# KiCad board sample013-sdi-mipi-video-converter.kicad_pcb (continued)
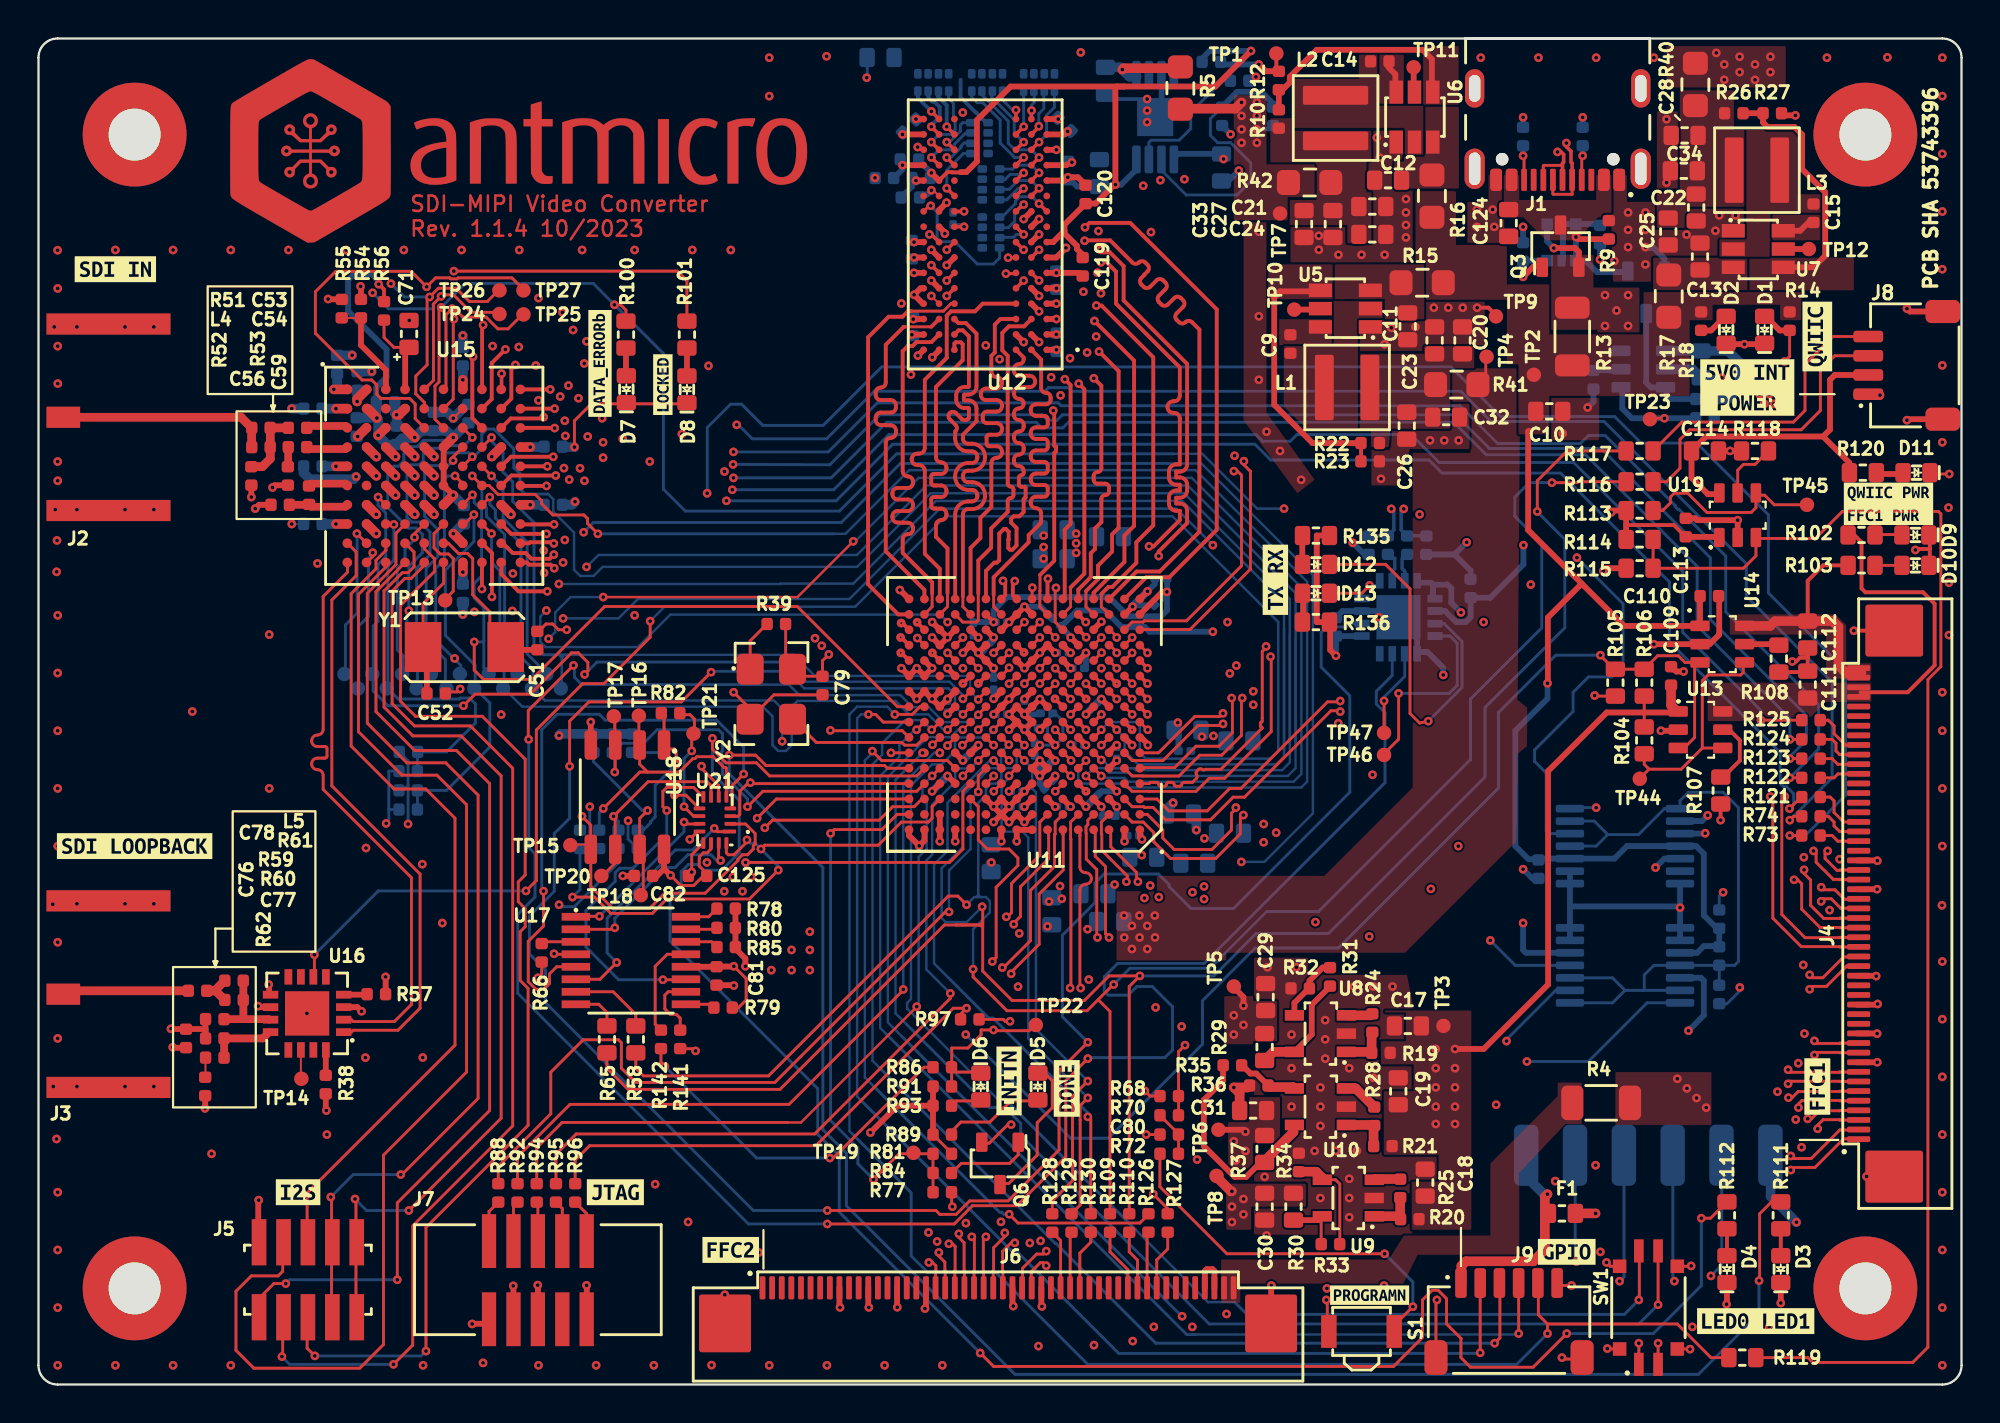
[diagram p0: board, top side]
## Footprints (pads in the part's own frame, mm; a bottom-side part is the same pattern mirrored in y, then rotated) (continued)
BGA-256_14x14mm_Layout16x16_P0.8mm
  round 0.45 smd: A1(-6,6) A2(-5.2,6) A3(-4.4,6) A4(-3.6,6) A5(-2.8,6) A6(-2,6) A7(-1.2,6) A8(-0.4,6) A9(0.4,6) A10(1.2,6) A11(2,6) A12(2.8,6) A13(3.6,6) A14(4.4,6) A15(5.2,6) A16(6,6) B1(-6,5.2) B2(-5.2,5.2) B3(-4.4,5.2) B4(-3.6,5.2) B5(-2.8,5.2) B6(-2,5.2) B7(-1.2,5.2) B8(-0.4,5.2) B9(0.4,5.2) B10(1.2,5.2) B11(2,5.2) B12(2.8,5.2) B13(3.6,5.2) B14(4.4,5.2) B15(5.2,5.2) B16(6,5.2) C1(-6,4.4) C2(-5.2,4.4) C3(-4.4,4.4) C4(-3.6,4.4) C5(-2.8,4.4) C6(-2,4.4) C7(-1.2,4.4) C8(-0.4,4.4) C9(0.4,4.4) C10(1.2,4.4) C11(2,4.4) C12(2.8,4.4) C13(3.6,4.4) C14(4.4,4.4) C15(5.2,4.4) C16(6,4.4) D1(-6,3.6) D2(-5.2,3.6) D3(-4.4,3.6) D4(-3.6,3.6) D5(-2.8,3.6) D6(-2,3.6) D7(-1.2,3.6) D8(-0.4,3.6) D9(0.4,3.6) D10(1.2,3.6) D11(2,3.6) D12(2.8,3.6) D13(3.6,3.6) D14(4.4,3.6) D15(5.2,3.6) D16(6,3.6) E1(-6,2.8) E2(-5.2,2.8) E3(-4.4,2.8) E4(-3.6,2.8) E5(-2.8,2.8) E6(-2,2.8) E7(-1.2,2.8) E8(-0.4,2.8) E9(0.4,2.8) E10(1.2,2.8) E11(2,2.8) E12(2.8,2.8) E13(3.6,2.8) E14(4.4,2.8) E15(5.2,2.8) E16(6,2.8) F1(-6,2) F2(-5.2,2) F3(-4.4,2) F4(-3.6,2) F5(-2.8,2) F6(-2,2) F7(-1.2,2) F8(-0.4,2) F9(0.4,2) F10(1.2,2) F11(2,2) F12(2.8,2) F13(3.6,2) F14(4.4,2) F15(5.2,2) F16(6,2) G1(-6,1.2) G2(-5.2,1.2) G3(-4.4,1.2) G4(-3.6,1.2) G5(-2.8,1.2) G6(-2,1.2) G7(-1.2,1.2) G8(-0.4,1.2) G9(0.4,1.2) G10(1.2,1.2) G11(2,1.2) G12(2.8,1.2) G13(3.6,1.2) G14(4.4,1.2) G15(5.2,1.2) G16(6,1.2) H1(-6,0.4) H2(-5.2,0.4) H3(-4.4,0.4) H4(-3.6,0.4) H5(-2.8,0.4) H6(-2,0.4) H7(-1.2,0.4) H8(-0.4,0.4) H9(0.4,0.4) H10(1.2,0.4) H11(2,0.4) H12(2.8,0.4) H13(3.6,0.4) H14(4.4,0.4) H15(5.2,0.4) H16(6,0.4) J1(-6,-0.4) J2(-5.2,-0.4) J3(-4.4,-0.4) J4(-3.6,-0.4) J5(-2.8,-0.4) J6(-2,-0.4) J7(-1.2,-0.4) J8(-0.4,-0.4) J9(0.4,-0.4) J10(1.2,-0.4) J11(2,-0.4) J12(2.8,-0.4) J13(3.6,-0.4) J14(4.4,-0.4) J15(5.2,-0.4) J16(6,-0.4) K1(-6,-1.2) K2(-5.2,-1.2) K3(-4.4,-1.2) K4(-3.6,-1.2) K5(-2.8,-1.2) K6(-2,-1.2) K7(-1.2,-1.2) K8(-0.4,-1.2) K9(0.4,-1.2) K10(1.2,-1.2) K11(2,-1.2) K12(2.8,-1.2) K13(3.6,-1.2) K14(4.4,-1.2) K15(5.2,-1.2) K16(6,-1.2) L1(-6,-2) L2(-5.2,-2) L3(-4.4,-2) L4(-3.6,-2) L5(-2.8,-2) L6(-2,-2) L7(-1.2,-2) L8(-0.4,-2) L9(0.4,-2) L10(1.2,-2) L11(2,-2) L12(2.8,-2) L13(3.6,-2) L14(4.4,-2) L15(5.2,-2) L16(6,-2) M1(-6,-2.8) M2(-5.2,-2.8) M3(-4.4,-2.8) M4(-3.6,-2.8) M5(-2.8,-2.8) M6(-2,-2.8) M7(-1.2,-2.8) M8(-0.4,-2.8) M9(0.4,-2.8) M10(1.2,-2.8) M11(2,-2.8) M12(2.8,-2.8) M13(3.6,-2.8) M14(4.4,-2.8) M15(5.2,-2.8) M16(6,-2.8) N1(-6,-3.6) N2(-5.2,-3.6) N3(-4.4,-3.6) N4(-3.6,-3.6) N5(-2.8,-3.6) N6(-2,-3.6) N7(-1.2,-3.6) N8(-0.4,-3.6) N9(0.4,-3.6) N10(1.2,-3.6) N11(2,-3.6) N12(2.8,-3.6) N13(3.6,-3.6) N14(4.4,-3.6) N15(5.2,-3.6) N16(6,-3.6) P1(-6,-4.4) P2(-5.2,-4.4) P3(-4.4,-4.4) P4(-3.6,-4.4) P5(-2.8,-4.4) P6(-2,-4.4) P7(-1.2,-4.4) P8(-0.4,-4.4) P9(0.4,-4.4) P10(1.2,-4.4) P11(2,-4.4) P12(2.8,-4.4) P13(3.6,-4.4) P14(4.4,-4.4) P15(5.2,-4.4) P16(6,-4.4) R1(-6,-5.2) R2(-5.2,-5.2) R3(-4.4,-5.2) R4(-3.6,-5.2) R5(-2.8,-5.2) R6(-2,-5.2) R7(-1.2,-5.2) R8(-0.4,-5.2) R9(0.4,-5.2) R10(1.2,-5.2) R11(2,-5.2) R12(2.8,-5.2) R13(3.6,-5.2) R14(4.4,-5.2) R15(5.2,-5.2) R16(6,-5.2) T1(-6,-6) T2(-5.2,-6) T3(-4.4,-6) T4(-3.6,-6) T5(-2.8,-6) T6(-2,-6) T7(-1.2,-6) T8(-0.4,-6) T9(0.4,-6) T10(1.2,-6) T11(2,-6) T12(2.8,-6) T13(3.6,-6) T14(4.4,-6) T15(5.2,-6) T16(6,-6)
C_0201
  rrect 0.318x0.36 smd: (-0.349,0.002) (0.341,0.002)
  rrect 0.46x0.4 smd: 1(-0.321,0.002) 2(0.32,0.002)
C_0402_1005Metric
  rrect 0.59x0.64 smd: 1(-0.48,0) 2(0.48,0)
C_0603_1608Metric
  rrect 0.8x1 smd: 1(-0.7,0) 2(0.7,0)
C_Pol_0603_1608Metric
  rrect 0.8x1 smd: 1(-0.7,0) 2(0.7,0)
Conn_BNC_031-70526-21
  rect 1.1x1.75 smd: 1(0,7.872)
  rect 1.1x6.45 smd: 2(-4.851,10.221) 2(4.849,10.221)
Conn_FFC_WE_68715014x22
  rrect 0.3x1.2 smd: 1(-12.25,2.15) 2(-11.75,2.15) 3(-11.25,2.15) 4(-10.75,2.15) 5(-10.25,2.15) 6(-9.75,2.15) 7(-9.25,2.15) 8(-8.75,2.15) 9(-8.25,2.15) 10(-7.75,2.15) 11(-7.25,2.15) 12(-6.75,2.15) 13(-6.25,2.15) 14(-5.75,2.15) 15(-5.25,2.15) 16(-4.75,2.15) 17(-4.25,2.15) 18(-3.75,2.15) 19(-3.25,2.15) 20(-2.75,2.15) 21(-2.25,2.15) 22(-1.75,2.15) 23(-1.25,2.15) 24(-0.75,2.15) 25(-0.25,2.15) 26(0.248,2.15) 27(0.748,2.15) 28(1.249,2.15) 29(1.749,2.15) 30(2.249,2.15) 31(2.749,2.15) 32(3.249,2.15) 33(3.749,2.15) 34(4.248,2.15) 35(4.748,2.15) 36(5.248,2.15) 37(5.749,2.15) 38(6.249,2.15) 39(6.749,2.15) 40(7.249,2.15) 41(7.749,2.15) 42(8.249,2.15) 43(8.749,2.15) 44(9.249,2.15) 45(9.749,2.15) 46(10.249,2.15) 47(10.749,2.15) 48(11.249,2.15) 49(11.749,2.15) 50(12.249,2.15)
  rrect 2.7x3 smd: MP1(-14.198,0.3) MP2(14.198,0.3)
Conn_JST_SH_1x4_SM04B-SRSS-TB-LF-SN
  rrect 0.6x1.55 smd: 1(-1.5,2.12) 2(-0.5,2.12) 3(0.5,2.12) 4(1.5,2.12)
  rrect 1.2x1.8 smd: MP(-2.8,-1.755) MP(2.8,-1.755)
Conn_JST_SH_1x6_SM06B-SRSS-TB-LF-SN
  rrect 0.6x1.55 smd: 1(-2.5,2.1) 2(-1.5,2.1) 3(-0.5,2.1) 4(0.5,2.1) 5(1.5,2.1) 6(2.5,2.1)
  rrect 1.2x1.8 smd: MP(-3.8,-1.775) MP(3.8,-1.775)
F_0603_1608Metric
  rrect 0.8x1 smd: 1(-0.7,0) 2(0.7,0)
FB_0603_1608Metric
  rrect 0.8x1 smd: 1(-0.7,0) 2(0.7,0)
L_0402_1005Metric
  rrect 0.59x0.64 smd: 1(-0.48,0) 2(0.48,0)
L_Coilcraft-XEL4030
  rrect 0.98x3.4 smd: 1(-1.185,0) 2(1.185,0)
LED_0603_1608Metric_G
  rrect 0.8x1 smd: 1(-0.7,0) 2(0.7,0)
LED_0603_1608Metric_R
  rrect 0.8x1 smd: 1(-0.7,0) 2(0.7,0)
MP_Pad5.4mm_Drill2.7mm
  round 5.4 hole 2.7: 1(0,0)
MSOP-8-1EP_3x3x1.1mm_P0.65mm
  rrect 1.45x0.45 smd: 1(-2.199,0.977) 2(-2.199,0.326) 3(-2.199,-0.324) 4(-2.199,-0.973) 5(2.201,-0.973) 6(2.201,-0.324) 7(2.201,0.326) 8(2.201,0.977)
  rect 1.98x1.88 smd: 9(0,0)
Oscillator_SMD_YIC_OSC-S5_5x3.2mm
  rrect 1.4x1.6 smd: 1(-1.101,1.3) 2(-1.101,-1.3) 3(1.1,-1.3) 4(1.1,1.3)
PinHeader_1x6_P2.54mm_SMD_Horizontal
  rrect 1.27x3.18 smd: 1(-6.351,-5.914) 2(-3.81,-5.914) 3(-1.27,-5.914) 4(1.267,-5.914) 5(3.809,-5.914) 6(6.349,-5.914)
PinHeader_2x5_P1.27mm_SMD
  rect 0.76x2.4 smd: 1(-2.581,-1.949) 2(-2.581,1.95) 3(-1.311,-1.949) 4(-1.311,1.95) 5(-0.042,-1.949) 6(-0.042,1.95) 7(1.227,-1.949) 8(1.227,1.95) 9(2.499,-1.949) 10(2.499,1.95)
PinHeader_2x5_P1.27mm_SMD_Shrouded
  rect 0.74x2.795 smd: 1(-2.54,-2.055) 2(-2.54,2.009) 3(-1.27,-2.055) 4(-1.27,2.009) 5(0,-2.055) 6(0,2.009) 7(1.269,-2.055) 8(1.269,2.009) 9(2.539,-2.055) 10(2.539,2.009)
QFN-16-1EP_4x4mm_P0.65mm
  rect 0.8x0.4 smd: 1(-1.9,0.975) 2(-1.9,0.325) 3(-1.9,-0.325) 4(-1.9,-0.975) 9(1.9,-0.975) 10(1.9,-0.325) 11(1.9,0.325) 12(1.9,0.975)
  rect 0.4x0.8 smd: 5(-0.975,-1.9) 6(-0.325,-1.9) 7(0.325,-1.9) 8(0.975,-1.9) 13(0.975,1.9) 14(0.325,1.9) 15(-0.325,1.9) 16(-0.975,1.9)
  rect 2.3x2.3 smd: 17(0,0)
R_0201
  rrect 0.318x0.36 smd: (-0.346,0) (0.344,0)
  rrect 0.46x0.4 smd: 1(-0.32,0) 2(0.32,0)
R_0402_1005Metric
  rrect 0.59x0.64 smd: 1(-0.48,0) 2(0.48,0)
R_0603_1608Metric
  rrect 0.8x1 smd: 1(-0.7,0) 2(0.7,0)
R_0805_2012Metric
  rrect 1.2x1.3 smd: 1(-1.1,0) 2(1.1,0)
R_1206_3216Metric
  rrect 1.15x1.8 smd: 1(-1.5,-0.001) 2(1.5,-0.001)
R_Array_4x0402
  rrect 0.4x0.5 smd: 1(-0.802,-0.45) 2(-0.272,-0.45) 3(0.27,-0.45) 4(0.8,-0.45) 5(0.8,0.452) 6(0.27,0.452) 7(-0.272,0.452) 8(-0.802,0.452)
Resonator_SMD_Abracon_ABM7_6x3.5x1.4mm
  rect 1.9x2.6 smd: 1(-2.15,0) 2(2.148,0)
SOIC-8_3.9x4.9x1.75mm_P1.27mm
  rrect 1.525x0.65 smd: 1(-2.714,1.905) 2(-2.714,0.635) 3(-2.714,-0.632) 4(-2.714,-1.902) 5(2.712,-1.902) 6(2.712,-0.632) 7(2.712,0.635) 8(2.712,1.905)
SOT-23-3
  rrect 1x0.6 smd: 1(-1.1,0.951) 2(-1.1,-0.949) 3(1.1,0.001)
SOT-23-5
  rect 1x0.55 smd: 1(-1.351,0.951) 2(-1.351,0) 3(-1.351,-0.949) 4(1.35,-0.949) 5(1.35,0.951)
SOT-23-6
  rrect 0.55x1 smd: 1(-0.954,-1.1) 2(-0.003,-1.1) 3(0.947,-1.1) 4(0.947,1.214) 5(-0.003,1.214) 6(-0.954,1.214)
SOT-363
  custom 0.6x0.6 smd: 1(-0.948,0.752) 3(-0.948,-0.745) 4(0.951,-0.745) 6(0.951,0.752)
  rect 0.6x0.4 smd: 2(-0.948,0.002) 5(0.951,0.002)
SW_B3U-3000PM_SMD
  rect 0.8x1.7 smd: 1(-1.7,0.35) 2(1.7,0.35)
SW_DIP_SPSTx02_Slide_Copal_CVS-02xB_W5.9mm_P1mm
  rect 1.2x0.5 smd: 1(-2.95,0.5) 2(-2.95,-0.5) 3(2.95,-0.5) 4(2.95,0.5)
  rect 0.7x0.7 smd: SH(-2.15,1.5) SH(-2.15,-1.5) SH(2.15,1.5) SH(2.15,-1.5)
TP_SMD_0.75mm
  round 0.75 smd: 1(0,0)
TSOT23-6
  rect 1.2x0.7 smd: 1(-1.301,0.947) 2(-1.301,-0.004) 3(-1.301,-0.954) 4(1.299,-0.954) 5(1.299,-0.004) 6(1.299,0.947)
TSSOP-14_4.4x5mm_P0.65mm
  rrect 1.475x0.4 smd: 1(-2.863,1.95) 2(-2.863,1.301) 3(-2.863,0.652) 4(-2.863,0) 5(-2.863,-0.65) 6(-2.863,-1.3) 7(-2.863,-1.949) 8(2.862,-1.949) 9(2.862,-1.3) 10(2.862,-0.65) 11(2.862,0) 12(2.862,0.652) 13(2.862,1.301) 14(2.862,1.95)
TSSOP-16_4.4x5mm_P0.65mm
  rect 1.475x0.4 smd: 1(-2.815,2.275) 2(-2.815,1.625) 3(-2.815,0.975) 4(-2.815,0.325) 5(-2.815,-0.325) 6(-2.815,-0.975) 7(-2.815,-1.625) 8(-2.815,-2.275) 9(2.91,-2.275) 10(2.91,-1.625) 11(2.91,-0.975) 12(2.91,-0.325) 13(2.91,0.325) 14(2.91,0.975) 15(2.91,1.625) 16(2.91,2.275)
UQFN-16-1.8x2.6mm_P0.4mm_Texas_RSV0016A
  rrect 0.7x0.2 smd: 1(-0.75,0.6)
  rrect 0.6x0.2 smd: 2(-0.802,0.202) 3(-0.802,-0.2) 4(-0.802,-0.598) 9(0.8,-0.598) 10(0.8,-0.2) 11(0.8,0.202) 12(0.8,0.6)
  rrect 0.2x0.6 smd: 5(-0.6,-1.199) 6(-0.202,-1.199) 7(0.2,-1.199) 8(0.598,-1.199) 13(0.598,1.2) 14(0.2,1.2) 15(-0.202,1.2) 16(-0.6,1.2)
USB-C_Receptacle_GCT_USB4105-GF-A
  round 0.65 hole 0.65 unplated: (-2.891,2.426) (2.89,2.426)
  rrect 0.6x1.15 smd: A1(-3.202,3.5) A4(-2.4,3.5) A9(2.398,3.5) A12(3.2,3.5) B1(3.2,3.5) B4(2.398,3.5) B9(-2.4,3.5) B12(-3.202,3.5)
  rrect 0.3x1.15 smd: A5(-1.25,3.5) A6(-0.25,3.5) A7(0.248,3.5) A8(1.249,3.5) B5(1.749,3.5) B6(0.748,3.5) B7(-0.75,3.5) B8(-1.75,3.5)
  oval 1.05x2.1 hole 0.6x1.7: SH(-4.321,2.926) SH(4.32,2.926)
  oval 1x2 hole 0.6x1.4: SH(-4.321,-1.255) SH(4.32,-1.255)

## Nets
1V0_Clean: C29.2 FB3.2 FB5.2 R29.2 TP5.1 U2.9
1V0_Power: C85.2 C86.2 C98.2 C104.2 C107.2 C116.2 R41.2 TP4.1 U2.7 U11.D7 U11.D9 U11.H7 U11.J10 U11.K9
+1V2: C30.2 C61.2 C63.2 C66.2 C68.2 C70.2 C73.2 C83.2 R30.2 R56.1 TP8.1 U3.7 U11.N5 U15.B2 U15.C3 U15.C4 U15.D6 U15.E6 U15.F6 U15.G6
+1V5: C16.2 C35.2 C36.1 C37.2 C38.2 C41.2 C42.2 C43.2 C44.2 C45.2 C46.2 C47.2 C48.2 C49.2 C119.2 R5.1 R7.2 R42.2 TP7.1 U3.5 U11.N6 U11.P11 U11.P12 U11.R2 U12.A1 U12.A8 U12.B2 U12.C1 U12.C9 U12.D2 U12.D9 U12.E9 U12.F1 U12.G7 U12.H2 U12.H9 U12.K2 U12.K8 U12.N1 U12.N9 U12.R1 U12.R9
+1V8: C31.2 FB1.2 FB2.2 FB4.2 R37.2 TP6.1 U2.11
+3V3: C17.1 C18.2 C19.2 C58.2 C60.2 C62.2 C64.2 C65.2 C67.2 C69.2 C72.2 C74.2 C75.2 C76.1 C79.2 C81.2 C82.2 C84.2 C108.2 C109.2 C113.2 C115.2 C125.1 F1.1 J7.1 R1.2 R19.1 R20.1 R21.1 R38.2 R39.2 R40.2 R55.1 R57.2 R59.1 R60.2 R66.2 R68.2 R79.2 R81.2 R83.1 R87.2 R89.2 R90.2 R91.2 R93.2 R104.1 R105.1 R113.1 R114.1 R137.2 R139.2 TP3.1 U1.5 U2.5 U11.D13 U11.F5 U11.F13 U11.J4 U11.J13 U13.1 U15.A7 U15.B1 U15.D10 U15.E1 U15.G10 U15.H1 U15.K7 U16.9 U17.12 U18.8 U19.1 U21.14 Y2.4
+5V: C1.2 C2.2 C10.1 C110.2 R2.2 R13.2 R14.2 R15.1 R16.2 R17.1 R18.2 TP2.1 U2.3 U3.3 U3.11 U14.1
/FPGA Power/VCC_ADPHY: C90.2 C96.2 C102.2 FB4.1 U11.C8 U11.E3
/FPGA Power/VCC_AUX: C87.2 C92.2 C93.2 C99.2 C105.2 C106.2 C118.2 FB1.1 U11.F8 U11.G7 U11.K8 U11.K10 U11.M6
/FPGA Power/VCC_AUXA: C88.2 C94.2 C100.2 FB2.1 U11.F7
/FPGA Power/VCC_DPHY: C89.2 C95.2 C101.2 FB3.1 U11.C4 U11.C7
/FPGA Power/VCC_PLLDPHY: C91.2 C97.2 C103.2 FB5.1 U11.A2 U11.C5
/Peripherals/3V3_MISC: F1.2 J9.1 J10.1
/Power Supply/1V0_OUT: C20.2 C23.2 C26.2 C32.2 L1.2 R22.2 R41.1
/Power Supply/1V0_SW: C9.1 L1.1 U5.2
/Power Supply/1V5_OUT: C21.2 C24.1 C27.2 C33.2 L2.2 R10.2 R42.1
/Power Supply/1V5_SW: C14.1 L2.1 U6.2
/Power Supply/3V3_OUT: C22.2 C25.2 C28.2 C34.2 L3.2 R26.2 R40.1
/Power Supply/3V3_SW: C15.1 L3.1 U7.2
/Power Supply/5V_1V0_IN: C11.2 R15.2 U5.3
/Power Supply/5V_1V5_IN: C12.1 R16.1 U6.3
/Power Supply/5V_3V3_IN: C13.1 R17.2 U7.3
/Power Supply/5V_I: Q2.1 Q3.2 R13.1 U4.6
GND: C1.1 C2.1 C3.2 C4.1 C5.1 C6.1 C7.1 C8.1 C10.2 C11.1 C12.2 C13.2 C16.1 C17.2 C18.1 C19.1 C20.1 C21.1 C22.1 C23.1 C24.2 C25.1 C26.1 C27.1 C28.1 C29.1 C30.1 C31.1 C32.1 C33.1 C34.1 C35.1 C36.2 C39.1 C40.1 C41.1 C42.1 C43.1 C44.1 C45.1 C46.1 C47.1 C48.1 C50.1 C51.2 C52.1 C55.2 C56.2 C57.2 C58.1 C60.1 C61.1 C62.1 C63.1 C64.1 C65.1 C66.1 C67.1 C68.1 C69.1 C70.1 C71.2 C72.1 C73.1 C74.1 C75.1 C76.2 C79.1 C80.1 C81.1 C82.1 C83.1 C84.1 C85.1 C86.1 C87.1 C88.1 C89.1 C90.1 C91.1 C92.1 C93.1 C94.1 C95.1 C96.1 C97.1 C98.1 C99.1 C100.1 C101.1 C102.1 C103.1 C104.1 C105.1 C106.1 C107.1 C108.1 C109.1 C110.1 C111.1 C112.1 C113.1 C114.1 C115.1 C116.1 C117.1 C118.1 C120.1 C121.1 C122.1 C123.1 C124.1 C125.2 D1.1 D2.1 D3.1 D4.1 D7.1 D8.1 D9.1 D10.1 D11.1 J1.A1 J1.A12 J1.B1 J1.B12 J1.SH J2.2 J3.2 J4.9 J4.12 J4.15 J4.18 J4.27 J4.30 J4.MP1 J4.MP2 J5.9 J6.9 J6.12 J6.15 J6.18 J6.27 J6.30 J6.MP1 J6.MP2 J7.3 J7.5 J7.9 J8.1 J8.MP J9.6 J9.MP J10.6 Q1.2 Q6.2 R3.1 R8.1 R9.1 R11.1 R12.2 R23.1 R27.1 R32.1 R34.1 R36.1 R47.1 R52.1 R53.2 R54.1 R62.2 R64.1 R78.2 R80.2 R85.2 R97.1 R98.1 R99.1 R106.2 R107.1 R108.1 R115.2 R118.1 R138.1 R140.1 S1.1 SW1.1 SW1.2 SW1.SH TP1.1 TP9.1 U1.3 U1.9 U2.12 U3.10 U3.12 U4.2 U5.1 U6.1 U7.1 U8.2 U9.2 U10.2 U11.A1 U11.A8 U11.A9 U11.A10 U11.A13 U11.A14 U11.A15 U11.A16 U11.B8 U11.B9 U11.B10 U11.B14 U11.C3 U11.C6 U11.C9 U11.C10 U11.C11 U11.D3 U11.D8 U11.D14 U11.E7 U11.E8 U11.F3 U11.F12 U11.G1 U11.G2 U11.G5 U11.G8 U11.H8 U11.H9 U11.J3 U11.J7 U11.J8 U11.J9 U11.J14 U11.K13 U11.K14 U11.K15 U11.K16 U11.L13 U11.L15 U11.L16 U11.M5 U11.M8 U11.M9 U11.M11 U11.M15 U11.N7 U11.N11 U11.N12 U11.N14 U11.P4 U11.P10 U11.P13 U11.P14 U11.R8 U11.R9 U11.T1 U11.T16 U12.A9 U12.B1 U12.B3 U12.B9 U12.D1 U12.D8 U12.E1 U12.E2 U12.E8 U12.F9 U12.G1 U12.G8 U12.G9 U12.J2 U12.J8 U12.M1 U12.M9 U12.P1 U12.P9 U12.T1 U12.T9 U13.2 U14.2 U15.B4 U15.B7 U15.C2 U15.D2 U15.D3 U15.D4 U15.D5 U15.D9 U15.E2 U15.E3 U15.E4 U15.E5 U15.F3 U15.F4 U15.F5 U15.G2 U15.G4 U15.G5 U15.G9 U15.H2 U15.J7 U16.3 U16.10 U16.17 U17.4 U18.4 U19.2 U20.3 U20.13 U20.17 U21.6 U21.13 Y2.2
40MHz_3V3: U11.G15 Y2.3
/DDR3/DDR3_A0: R49.4 U11.P7 U12.N3
/DDR3/DDR3_A1: R46.4 U11.N16 U12.P7
/DDR3/DDR3_A2: R49.2 U11.L11 U12.P3
/DDR3/DDR3_A3: R49.3 U11.P8 U12.N2
/DDR3/DDR3_A4: R48.1 U11.M16 U12.P8
/DDR3/DDR3_A5: R45.1 U11.L9 U12.P2
/DDR3/DDR3_A6: R48.3 U11.M13 U12.R8
/DDR3/DDR3_A7: R45.2 U11.L10 U12.R2
/DDR3/DDR3_A8: R48.4 U11.L12 U12.T8
/DDR3/DDR3_A9: R45.4 U11.L8 U12.R3
/DDR3/DDR3_A10: R46.1 U11.P15 U12.L7
/DDR3/DDR3_A11: R48.2 U11.M14 U12.R7
/DDR3/DDR3_A12: R46.2 U11.N15 U12.N7
/DDR3/DDR3_A13: R49.1 U11.N8 U12.T3
/DDR3/DDR3_BA0: R44.1 U11.P9 U12.M2
/DDR3/DDR3_BA1: R46.3 U11.P16 U12.N8
/DDR3/DDR3_BA2: R44.2 U11.M10 U12.M3
/DDR3/DDR3_CK_N: R43.1 U11.T10 U12.K7
/DDR3/DDR3_CK_P: R43.2 U11.T9 U12.J7
/DDR3/DDR3_CKE: R50.4 U11.N13 U12.K9
/DDR3/DDR3_DQ0: U11.T4 U12.E3
/DDR3/DDR3_DQ1: U11.T6 U12.F7
/DDR3/DDR3_DQ2: U11.R3 U12.F2
/DDR3/DDR3_DQ3: U11.R6 U12.F8
/DDR3/DDR3_DQ4: U11.T2 U12.H3
/DDR3/DDR3_DQ5: U11.R4 U12.H8
/DDR3/DDR3_DQ6: U11.T3 U12.G2
/DDR3/DDR3_DQ7: U11.T5 U12.H7
/DDR3/DDR3_DQ8: U11.R16 U12.D7
/DDR3/DDR3_DQ9: U11.T12 U12.C3
/DDR3/DDR3_DQ10: U11.T15 U12.C8
/DDR3/DDR3_DQ11: U11.R13 U12.C2
/DDR3/DDR3_DQ12: U11.R14 U12.A7
/DDR3/DDR3_DQ13: U11.R10 U12.A2
/DDR3/DDR3_DQ14: U11.R15 U12.B8
/DDR3/DDR3_DQ15: U11.T11 U12.A3
/DDR3/DDR3_LDM: U11.R7 U12.E7
/DDR3/DDR3_LDQS_N: U11.P5 U12.G3
/DDR3/DDR3_LDQS_P: U11.R5 U12.F3
/DDR3/DDR3_ODT: R50.1 U11.T7 U12.K1
/DDR3/DDR3_UDM: U11.T14 U12.D3
/DDR3/DDR3_UDQS_N: U11.T13 U12.B7
/DDR3/DDR3_UDQS_P: U11.R12 U12.C7
/DDR3/~{DDR3_CAS}: R50.2 U11.T8 U12.K3
/DDR3/~{DDR3_CS}: R44.3 U11.N10 U12.L2
/DDR3/~{DDR3_RAS}: R50.3 U11.M12 U12.J3
/DDR3/~{DDR3_RESET}: R45.3 U11.N9 U12.T2
/DDR3/~{DDR3_WE}: R44.4 U11.P6 U12.L3
/FPGA/DONE: R77.1 R81.1 R84.1 TP19.1 U11.B16
/FPGA/DONE_SOFT: R77.2 R141.1
/FPGA/INITN: D6.1 R86.1 R91.1 TP22.1 U11.D11
/FPGA/INITN_SOFT: R86.2 R142.2
/FPGA/MISO_SOFT: U17.5 U21.4
/FPGA/MOSI_SOFT: U17.6 U21.1
/FPGA/PROGRAMN: R68.1 R70.1 U11.C12
/FPGA/SEL: U17.2 U21.15
/FPGA/SPI_CLK: R75.2 U11.C16 U21.9
/FPGA/SPI_CLK_SOFT: U17.11 U21.8
/FPGA/SPI_DQ0_MOSI: R69.2 U11.C14 U21.16
/FPGA/SPI_DQ1_MISO: R71.2 U11.D16 U21.3
/FPGA/SPI_DQ2: R83.2 TP17.1 U11.D15 U18.3
/FPGA/SPI_DQ3: R87.1 TP18.1 U11.D12 U18.7
/FPGA/~{FLASH_CS_SOFT}: U17.1 U21.11
/FPGA/~{FLASH_CS}: R76.1 U11.C15 U21.12
/Peripherals/FCC1_SCL1: R123.2 U11.G12
/Peripherals/FCC1_SCL2: R125.2 U11.G14
/Peripherals/FCC1_SDA1: R122.1 U11.G11
/Peripherals/FCC1_SDA2: R124.1 U11.G13
/Peripherals/FCC2_SDA2: R126.1 U11.E13
/Peripherals/FFC1_3V3: C111.2 J4.47 J4.48 R102.2 U13.6
/Peripherals/FFC1_5V: C112.2 J4.49 J4.50 R103.2 U14.6
/Peripherals/FFC1_PEN: R105.2 R106.1 U11.E12 U13.3 U14.3
/Peripherals/FFC1_RESET: R74.1 U11.F10
/Peripherals/FFC1_VSYNC0: R73.1 U11.F16
/Peripherals/FFC1_VSYNC1: R121.1 U11.G16
/Peripherals/FFC2_3V3: J6.47 J6.48
/Peripherals/FFC2_RESET: R129.1 U11.E9
/Peripherals/FFC2_VSYNC0: R128.1 U11.F9
/Peripherals/FFC2_VSYNC1: R130.1 U11.E10
/Peripherals/FTDI_VCCIO: C123.2 R135.2 R136.2 U20.1 U20.8 U20.9
/Peripherals/MIPI0_CLK_N: J4.10 U11.D2
/Peripherals/MIPI0_CLK_P: J4.11 U11.D1
/Peripherals/MIPI0_D0_N: J4.7 U11.E2
/Peripherals/MIPI0_D0_P: J4.8 U11.E1
/Peripherals/MIPI0_D1_N: J4.5 U11.C2
/Peripherals/MIPI0_D1_P: J4.6 U11.C1
/Peripherals/MIPI0_D2_N: J4.3 U11.F2
/Peripherals/MIPI0_D2_P: J4.4 U11.F1
/Peripherals/MIPI0_D3_N: J4.1 U11.B2
/Peripherals/MIPI0_D3_P: J4.2 U11.B1
/Peripherals/MIPI1_CLK_N: J6.28 U11.B5
/Peripherals/MIPI1_CLK_P: J6.29 U11.A5
/Peripherals/MIPI1_D0_N: J6.25 U11.B4
/Peripherals/MIPI1_D0_P: J6.26 U11.A4
/Peripherals/MIPI1_D1_N: J6.23 U11.B6
/Peripherals/MIPI1_D1_P: J6.24 U11.A6
/Peripherals/MIPI1_D2_N: J6.21 U11.B3
/Peripherals/MIPI1_D2_P: J6.22 U11.A3
/Peripherals/MIPI1_D3_N: J6.19 U11.B7
/Peripherals/MIPI1_D3_P: J6.20 U11.A7
/Peripherals/MIPI2_CLK_N: J4.28 U11.P2
/Peripherals/MIPI2_CLK_P: J4.29 U11.P1
/Peripherals/MIPI2_D0_N: J4.25 U11.N3
/Peripherals/MIPI2_D0_P: J4.26 U11.P3
/Peripherals/MIPI2_D1_N: J4.23 U11.M4
/Peripherals/MIPI2_D1_P: J4.24 U11.N4
/Peripherals/MIPI2_D2_N: J4.21 U11.M7
/Peripherals/MIPI2_D2_P: J4.22 U11.L7
/Peripherals/MIPI2_D3_N: J4.19 U11.K7
/Peripherals/MIPI2_D3_P: J4.20 U11.L6
/Peripherals/QW_FLT: R113.2 TP45.1 U19.4
/Peripherals/QWIIC_3V3: C114.2 J8.2 R120.2 U19.6
/Peripherals/QWIIC_PEN: R114.2 R115.1 R119.1 U19.3
/Peripherals/USB_D2N: R133.2 U20.7
/Peripherals/USB_D2P: R134.2 U20.6
/Peripherals/USB_DN: C121.2 J1.A7 J1.B7 R133.1
/Peripherals/USB_DP: C117.2 J1.A6 J1.B6 R134.1
/Power Supply/FFC2_5V_1: C4.2 R4.2 R6.2 R63.2 U4.1
/Power Supply/VREF_0V45: R2.1 R3.2 U2.4 U2.6 U2.8 U2.10 U3.4 U3.6 U3.8
/Power Supply/~{FAULT}: R6.1 TP23.1 U4.4
/SDI/20bit/~{10bit}: R137.1 R138.2 TP30.1 U15.H7
/SDI/AGC_N: C56.1 C59.1 U15.G1
/SDI/AGC_P: C59.2 U15.F1
/SDI/AUDIO_EN/~{DIS}: R139.1 R140.2 TP31.1 U15.H3
/SDI/DVB_ASI: TP28.1 U11.H11 U15.G8
/SDI/IOPROC_EN/~{DIS}: TP33.1 U11.H13 U15.H8
/SDI/JTAG/~{HOST}: TP34.1 U11.K11 U15.D8
/SDI/RESET_TRST: TP36.1 U11.D4 U15.C7
/SDI/SCLK_TCK: TP37.1 U11.E5 U15.F8
/SDI/SDI_D0: U11.L1 U15.K8
/SDI/SDI_D1: U11.L2 U15.J8
/SDI/SDI_D2: U11.K1 U15.K9
/SDI/SDI_D3: U11.K2 U15.K10
/SDI/SDI_D4: U11.J1 U15.J9
/SDI/SDI_D5: U11.J2 U15.J10
/SDI/SDI_D6: U11.L3 U15.H9
/SDI/SDI_D7: U11.H1 U15.H10
/SDI/SDI_D8: U11.H4 U15.F9
/SDI/SDI_D9: U11.K3 U15.F10
/SDI/SDI_D10: U11.H5 U15.E9
/SDI/SDI_D11: U11.H2 U15.E10
/SDI/SDI_D12: U11.J6 U15.C8
/SDI/SDI_D13: U11.K5 U15.C10
/SDI/SDI_D14: U11.D5 U15.C9
/SDI/SDI_D15: U11.J5 U15.B10
/SDI/SDI_D16: U11.L4 U15.B9
/SDI/SDI_D17: U11.E6 U15.A10
/SDI/SDI_D18: U11.K6 U15.A9
/SDI/SDI_D19: U11.K4 U15.B8
/SDI/SDI_IN: J2.1 L4.2 R51.1
/SDI/SDI_IN_F: C53.2 L4.1 R51.2 R52.2
/SDI/SDI_N: C54.1 U15.D1
/SDI/SDI_N2: C54.2 R53.1
/SDI/SDI_OUT: C78.2 J3.1
/SDI/SDI_OUT_F2: C78.1 L5.1 R61.2
/SDI/SDI_OUT_N: L5.2 R59.2 R61.1 U16.11
/SDI/SDI_OUT_P: C77.1 R60.1 U16.12
/SDI/SDI_P: C53.1 U15.C1
/SDI/SDI_PCLK: U11.L5 U15.A8
/SDI/SDI_STAT0: TP24.1 U11.N2 U15.A5
/SDI/SDI_STAT1: TP25.1 U11.M3 U15.A6
/SDI/SDI_STAT2: TP26.1 U11.M2 U15.B5
/SDI/SDI_STAT3: R101.2 U11.N1 U15.B6
/SDI/SDI_STAT4: TP27.1 U11.M1 U15.C5
/SDI/SDI_STAT5: R100.2 U11.G3 U15.C6
/SDI/SDIN_TDI: TP38.1 U11.H6 U15.E8
/SDI/SDO_EN/DIS: TP39.1 U11.G6 U15.J2
/SDI/SDO_N: U15.K1 U16.2
/SDI/SDO_P: U15.J1 U16.1
/SDI/SDOUT_TDO: TP43.1 U11.F4 U15.E7
/SDI/STANDBY: TP40.1 U11.F6 U15.K2
/SDI/SW_EN: TP41.1 U11.D6 U15.D7
/SDI/TIM_861: TP42.1 U11.H3 U15.H5
/SDI/XTAL1: C52.2 U15.K6 Y1.1
/SDI/XTAL2: C51.1 U15.J6 Y1.2
/SDI/~{CS_TMS}: TP32.1 U11.E4 U15.F7
/SDI/~{RC_BYP}: TP35.1 U11.K12 U15.G3
/SDI/~{SDO_DISABLE}: U11.G4 U16.6
/SDI/~{SMPTE_BYPASS}: TP29.1 U11.J16 U15.G7
AUDIO_ACLK: J5.1 J5.2 U15.J4
AUDIO_MCLK: J5.10 U15.K4
AUDIO_OUT_CH1_2: J5.5 U15.J3
AUDIO_OUT_CH3_4: J5.7 U15.K3
AUDIO_OUT_CH5_6: J5.6 U15.J5
AUDIO_OUT_CH7_8: J5.8 U15.K5
AUDIO_WCLK: J5.3 J5.4 U15.H4
DIP0: SW1.3 U11.F15
DIP1: SW1.4 U11.H10
FCC2_SCL2: R127.2 U11.H12
FFC2_5V: J6.49 J6.50 R4.1
GPIO0: J9.2 J10.2 U11.H16
GPIO1: J9.3 J10.3 U11.H14
GPIO2: J9.4 J10.4 U11.H15
GPIO3: J9.5 J10.5 R119.2 U11.J15
JTAG_EN: R96.2 R97.2 U11.D10
LED0: R112.2 U11.E15
LED1: R111.2 U11.E16
RXD: U11.J12 U20.2
SCL: R65.2 R110.2 R117.1 U11.G10
SDA: R58.2 R109.1 R116.1 U11.G9
TCK: R92.2 U11.F14
TDI: R95.2 U11.F11
TDO: R94.2 U11.E14
TMS: R88.2 U11.E11
TXD: U11.J11 U20.15
USB_POWER_IN: C122.2 C124.2 J1.A4 J1.A9 J1.B4 J1.B9 Q1.1 Q2.4 Q3.3 R9.2 U20.10
Vref: C6.2 C37.1 C38.1 C39.2 C40.2 C49.1 C50.2 C119.1 C120.2 U1.8 U11.R1 U11.R11 U12.H1 U12.M8
Vtt: C7.2 C8.2 R44.5 R44.6 R44.7 R44.8 R45.5 R45.6 R45.7 R45.8 R46.5 R46.6 R46.7 R46.8 R48.5 R48.6 R48.7 R48.8 R49.5 R49.6 R49.7 R49.8 R50.5 R50.6 R50.7 R50.8 U1.2 U1.4 U3.9
Net-(C77-Pad2): C77.2 R62.1
Net-(C80-Pad2): C80.2 R70.2 R72.1
Net-(D1-A): D1.2 R14.1 U2.1 U2.2 U2.13 U2.14 U3.1 U3.2 U3.14
Net-(D2-A): D2.2 R18.1
Net-(D3-A): D3.2 R111.1
Net-(D4-A): D4.2 R112.1
Net-(D5-A): D5.2 R89.1
Net-(D5-C): D5.1 Q6.3
Net-(D6-A): D6.2 R93.1
Net-(D7-A): D7.2 R100.1
Net-(D8-A): D8.2 R101.1
Net-(D9-A): D9.2 R102.1
Net-(D10-A): D10.2 R103.1
Net-(D11-A): D11.2 R120.1
Net-(D12-A): D12.2 R135.1
Net-(D12-C): D12.1 U20.11
Net-(D13-A): D13.2 R136.1
Net-(D13-C): D13.1 U20.5
Net-(J1-CC_{1}): J1.A5 R11.2
Net-(J1-CC_{2}): J1.B5 R8.2
Net-(J4-Pad32): J4.32 R73.2
Net-(J4-Pad33): J4.33 R74.2
Net-(J4-Pad34): J4.34 R121.2
Net-(J4-Pad39): J4.39 R122.2
Net-(J4-Pad40): J4.40 R123.1
Net-(J4-Pad41): J4.41 R124.2
Net-(J4-Pad42): J4.42 R125.1
Net-(J6-Pad32): J6.32 R128.2
Net-(J6-Pad33): J6.33 R129.2
Net-(J6-Pad34): J6.34 R130.2
Net-(J6-Pad39): J6.39 R109.2
Net-(J6-Pad40): J6.40 R110.1
Net-(J6-Pad41): J6.41 R126.2
Net-(J6-Pad42): J6.42 R127.1
Net-(J7-Pad2): J7.2 R88.1
Net-(J7-Pad4): J7.4 R92.1
Net-(J7-Pad6): J7.6 R94.1
Net-(J7-Pad8): J7.8 R95.1
Net-(J7-Pad10): J7.10 R96.1
Net-(J8-Pad3): J8.3 R116.2
Net-(J8-Pad4): J8.4 R117.2
Net-(Q1-D): Q1.3 R63.1 U4.3
Net-(Q2-Pad2): Q2.2 Q2.3 Q2.5 R64.2
Net-(Q3-G): Q2.6 Q3.1 R99.2
Net-(Q6-G): Q6.1 R84.2
Net-(R72-Pad2): R72.2 S1.2
Net-(U1-DDQ): C5.2 R5.2 U1.1
Net-(U1-REF): C3.1 R7.1 U1.6
Net-(U1-V_{TT_EN}): R1.1 U1.7
Net-(U4-ILIM): R98.2 U4.5
Net-(U5-BST): C9.2 U5.6
Net-(U5-EN): TP10.1 U5.5
Net-(U5-FB): R22.1 R23.2 U5.4
Net-(U6-BST): C14.2 U6.6
Net-(U6-EN): TP11.1 U6.5
Net-(U6-FB): R10.1 R12.1 U6.4
Net-(U7-BST): C15.2 U7.6
Net-(U7-EN): TP12.1 U7.5
Net-(U7-FB): R26.1 R27.2 U7.4
Net-(U8-ADJ): R31.1 R32.2 U8.4
Net-(U8-EN): R24.2 U8.3
Net-(U8-V_{IN}): R19.2 R24.1 U8.1
Net-(U8-V_{OUT}): R29.1 R31.2 U8.5
Net-(U9-ADJ): R33.1 R34.2 U9.4
Net-(U9-EN): R25.2 U9.3
Net-(U9-V_{IN}): R20.2 R25.1 U9.1
Net-(U9-V_{OUT}): R30.1 R33.2 U9.5
Net-(U10-ADJ): R35.1 R36.2 U10.4
Net-(U10-EN): R28.2 U10.3
Net-(U10-V_{IN}): R21.2 R28.1 U10.1
Net-(U10-V_{OUT}): R35.2 R37.1 U10.5
Net-(U12A-ZQ): R47.2 U12.L8
Net-(U13-ILIM): R107.2 U13.5
Net-(U13-~{FAULT}): R104.2 TP44.1 U13.4 U14.4
Net-(U14-ILIM): R108.2 U14.5
Net-(U15B-LB_CONT): R54.2 R55.2 U15.A3
Net-(U15B-LF): C55.1 U15.A2
Net-(U15B-VBG): C57.1 U15.A1
Net-(U15B-XTAL_OUT): TP13.1 U15.H6
Net-(U15C-VCO_{VDD}): C71.1 R56.2 U15.A4
Net-(U16-RSET): R57.1 U16.4
Net-(U16-~{EQ_EN}): R38.1 U16.16
Net-(U16-~{OSP}): TP14.1 U16.14
Net-(U17-A0): R85.1 U17.14
Net-(U17-A1): R80.1 U17.15
Net-(U17-A2): R78.1 U17.16
Net-(U17-GPIO2/~{SS2}): R141.2 U17.10
Net-(U17-GPIO3/~{SS3}): R142.1 U17.13
Net-(U17-SCL): R65.1 U17.8
Net-(U17-SDA): R58.1 U17.7
Net-(U17-~{INT}): R79.1 U17.9
Net-(U17-~{RESET}): R66.1 U17.3
Net-(U18-SCLK): R75.1 TP20.1 U18.6 U21.7
Net-(U18-SI/IO0): R69.1 TP15.1 U18.5 U21.2
Net-(U18-SO/IO1): R71.1 TP16.1 U18.2 U21.5
Net-(U18-~{CS}): R76.2 R82.2 R90.1 U18.1
Net-(U19-ILIM): R118.2 U19.5
Net-(U20-CBUS0): TP46.1 U20.12
Net-(U20-CBUS3): TP47.1 U20.14
Net-(U21-D4): R82.1 TP21.1 U21.10
Net-(Y2-EN): R39.1 Y2.1

Pads without a net: J1 A8 B8; J4 13 14 16 17 31 35 36 37 38 43 44 45 46; J6 1 2 3 4 5 6 7 8 10 11 13 14 16 17 31 35 36 37 38 43 44 45 46; J7 7; MP1 1; MP2 1; MP3 1; MP4 1; U3 13; U11 A11 A12 B11 B12 B13 B15 C13 L14; U12 J1 J9 L1 L9 M7 T7; U15 B3 F2; U16 5 7 8 13 15; U20 4 16

## Via types
v1: diameter 0.45, hole 0.2, Top to Bottom, 1080 vias
v2: diameter 0.45, hole 0.1, Top to Bottom, 13 vias
